# Altium PCB PCB2.PcbDoc
Units mil, origin at the board's own origin, x right, y up, seen from the top; angles counter-clockwise.
Board outline 2655.03 x 3785.03 mil, 2 copper layers (Top Layer, Bottom Layer); 12 components, 17 nets, 88 pads, 0 vias.
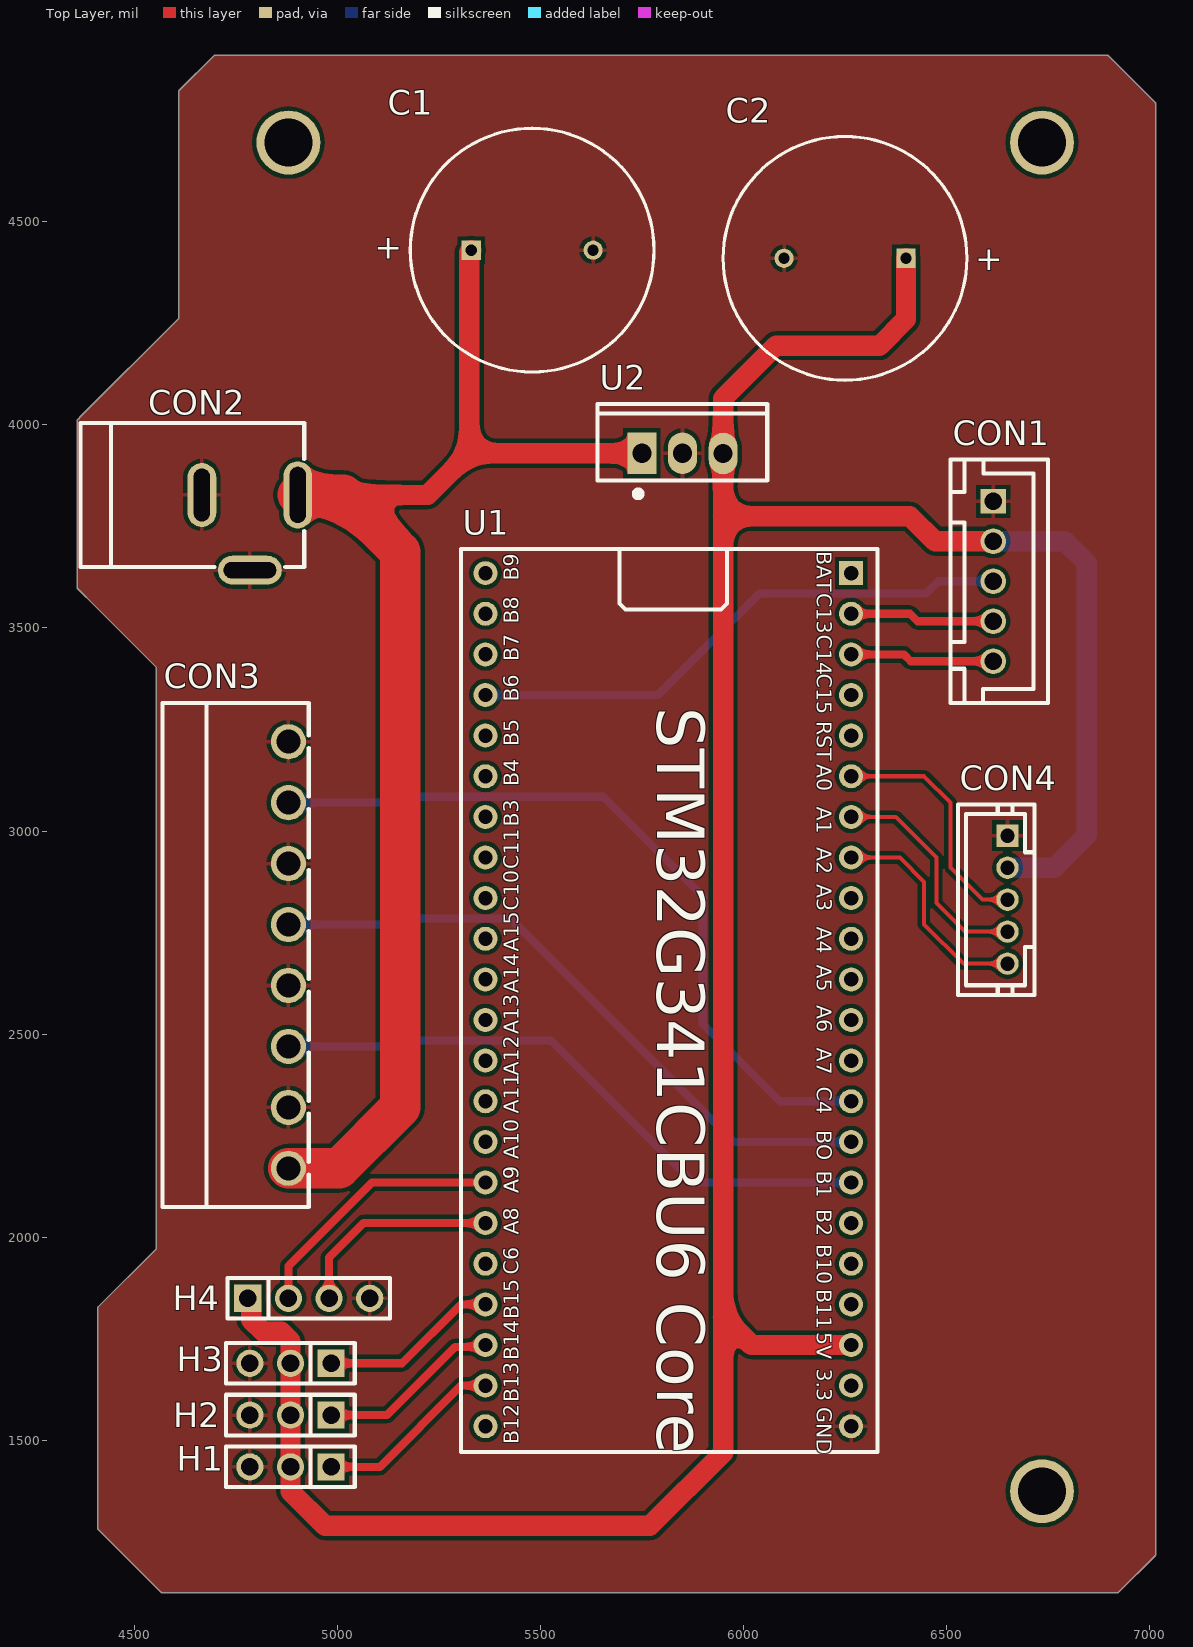
[diagram p0: Top Layer view]
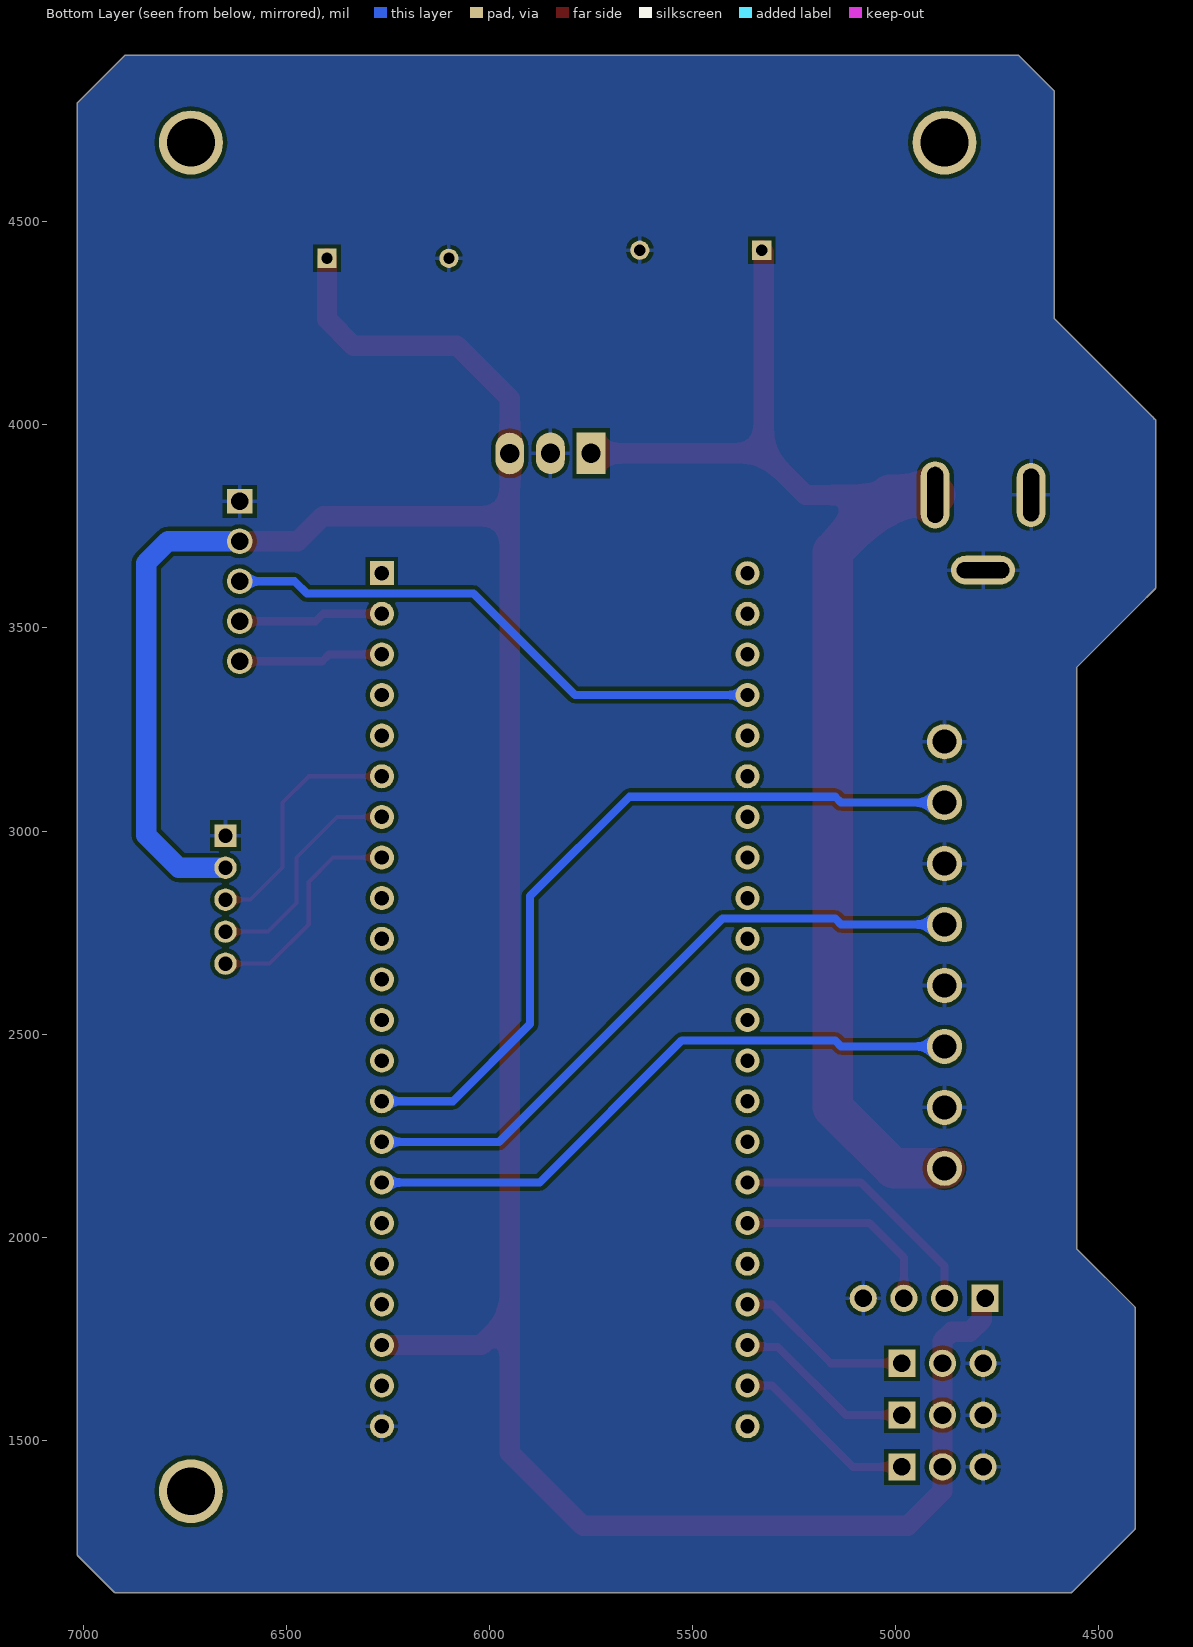
[diagram p1: Bottom Layer view, seen from below]

## Layer stack, top to bottom
Top Solder: solder mask 0.4, Solder Resist, Dk 3.5
Top Layer: signal copper 1.4
Dielectric 1: dielectric 12.6, FR-4, Dk 4.8
Bottom Layer: signal copper 1.4
Bottom Solder: solder mask 0.4, Solder Resist, Dk 3.5

## Board outline
4409.98,1285 ccw(c4415,1285) 4411.47,1281.44 4411.45,1281.45 4566.45,1126.45 4566.44,1126.47 ccw(c4570,1130) 4570,1124.98 6920,1124.98 ccw(c6920,1130) 6923.56,1126.47 6923.55,1126.45 7013.55,1216.45 7013.53,1216.44 ccw(c7010,1220) 7015.02,1220 7015.02,4790 ccw(c7010,4790) 7013.53,4793.56 7013.55,4793.55 6898.55,4908.55 6898.56,4908.53 ccw(c6895,4905) 6895,4910.02 4700,4910.02 ccw(c4700,4905) 4696.44,4908.53 4696.45,4908.55 4611.45,4823.55 4611.47,4823.56 ccw(c4615,4820) 4609.98,4820 4609.98,4262.08 4366.45,4018.55 ccw(c4370,4015) 4364.98,4015.01 ccw(c4365,4010) 4359.98,4010 4359.98,3600 ccw(c4365,3600) 4361.47,3596.44 4361.45,3596.45 4406.47,3551.44 cw(c4410,3555) 4406.45,3551.45 cw(c4410,3555) 4406.44,3551.47 4406.47,3551.44 4554.98,3402.92 4554.98,1972.08 4411.45,1828.55 4411.47,1828.56 ccw(c4415,1825) 4409.98,1825

## Design rules (kind name [scope] priority, off if disabled: settings)
Clearance [All] p1: gap=10 ignorepadtopadclearanceinfootprint=FALSE except(0: Arc-Hole Track-Hole SMDPad-Hole THPad-Hole Via-Hole Fill-Hole Poly-Hole Region-Hole Text-Hole)
HoleSize [All] p1: absolutevalues=TRUE maxlimit=150 minlimit=1 maxpercent=80.000 minpercent=20.000
PolygonConnect [All] p1: connectstyle=Relief reliefconductorwidth=10 reliefentries=4 polygonreliefangle="90 Angle" airgapwidth=10
RoutingVias [All] p1: holewidth=28 width=50 viastyle="Through Hole" minholewidth=28 minwidth=50 maxholewidth=28 maxwidth=50
SilkToSilkClearance [All] p1: silktosilkclearance=3
SilkToSolderMaskClearance [IsPad] p1: minsilkscreentomaskgap=2 clearancetoexposedcopper=TRUE
SolderMaskExpansion [All] p1: expansion=4
Width [All] p1: maxlimit=100 minlimit=10 preferedwidth=10 minimp=50.000000 maximp=50.000000 favimp=50.000000
27 further rules are at their usual default settings.

## Classes and differential pairs
component class Sheet1: C1 C2 CON1 CON2 CON3 CON4 H1 H3 H4 U1 U2

## Components (designator, comment, footprint, x,y, rotation, side; value= is the part's Value field where it differs from the comment)
C1 "Cap Pol1" RB7.6-15 5480,4430 r180 top value=100pF
C2 "Cap Pol1" RB7.6-15 6250,4410 r0 top value=100pF
CON1 "XH2.54-5P" CONN-TH_5P-P2.50_ZX-XH2.54-5PZZ 6615,3615 r270 top
CON2 "DC_Power_Connector" DC-IN-TH_DC-005-5A-2.0 4785,3735 r0 top
CON3 "8Pin_Screw" CONN-TH_8P-P3.81_WJ15EDGRC-3.81-8P 4880,2695 r270 top
CON4 "PH2.0_5Pin" CONN-TH_5P-P2.00-PH5A 6650,2831.26 r270 top
H1 "3Pin_Connector" HDR-TH_3P-P2.54-V-M 4885,1435 r180 top
H2 "3Pin_Connector" HDR-TH_3P-P2.54-V-M 4885,1562.5 r180 top
H3 "3Pin_Connector" HDR-TH_3P-P2.54-V-M 4885,1690 r180 top
H4 "2.54_4Pin" HDR-TH_4P-P2.54-V-M 4930,1850 r0 top
U1 "G431Core" PCBComponent_1 5865,2575 r0 top
U2 "lm7805" TO-220-3_L10.0-W4.5-P2.54-L 5850.01,3929.8 r0 top

## Footprints (in the part's own frame and the unit in brackets; to place one, negate y for a bottom-side part, rotate by r counter-clockwise, add the part's x,y. Pads: shape width x height; smd on the part's side, far side on the other; paste and mask are expansions set on the pad)
CONN-TH_5P-P2.00-PH5A [mm]
  rect 1.4x1.4 hole 0.9: 1(-4,0)
  round 1.4 hole 0.9: 2(-2,0) 3(0,0) 4(2,0) 5(4,0)
  silkscreen extent -5.96,-3.1 5.96,1.7
CONN-TH_5P-P2.50_ZX-XH2.54-5PZZ [mm]
  rect 1.524x1.6 hole 1.1: 1(-5,0)
  round 1.6 hole 1.1: 2(-2.5,0) 3(0,0) 4(2.5,0) 5(5,0)
  silkscreen extent -7.62,-2.68 7.62,3.42
CONN-TH_8P-P3.81_WJ15EDGRC-3.81-8P [mm]
  round 2.2 hole 1.5: 1(-13.335,0) 2(-9.525,0) 3(-5.715,0) 4(-1.905,0) 5(1.905,0) 6(5.715,0) 7(9.525,0) 8(13.335,0)
  silkscreen extent -15.75,-7.87 15.75,1.27
DC-IN-TH_DC-005-5A-2.0 [mm]
  oval 1.8x4.2 hole 1 slot 3.5 at 90 deg: 1(3,2.352)
  oval 1.8x4 hole 1 slot 3.3 at 90 deg: 2(-3,2.352)
  oval 4x1.8 hole 1 slot 3.3 at 0 deg: 3(0,-2.352)
  silkscreen extent -10.6,-2.15 3.4,6.85
HDR-TH_3P-P2.54-V-M [mm]
  rect 1.7x1.7 hole 1.1: 1(-2.54,0)
  round 1.7 hole 1.1: 2(0,0) 3(2.54,0)
  silkscreen extent -4.02,-1.27 4.02,1.27
HDR-TH_4P-P2.54-V-M [mm]
  rect 1.7x1.7 hole 1.1: 1(-3.81,0)
  round 1.7 hole 1.1: 2(-1.27,0) 3(1.27,0) 4(3.81,0)
  silkscreen extent -5.08,-1.27 5.08,1.27
PCBComponent_1 [mm]
  rect 1.5x1.5 hole 0.9: 1(10.16,26.924)
  round 1.5 hole 0.9: 2(10.16,24.384) 3(10.16,21.844) 4(10.16,19.304) 5(10.16,16.764) 6(10.16,14.224) 7(10.16,11.684) 8(10.16,9.144) 9(10.16,6.604) 10(10.16,4.064) 11(10.16,1.524) 12(10.16,-1.016) 13(10.16,-3.556) 14(10.16,-6.096) 15(10.16,-8.636) 16(10.16,-11.176) 17(10.16,-13.716) 18(10.16,-16.256) 19(10.16,-18.796) 20(10.16,-21.336) 21(10.16,-23.876) 22(10.16,-26.416) 23(-12.7,-26.416) 24(-12.7,-23.876) 25(-12.7,-21.336) 26(-12.7,-18.796) 27(-12.7,-16.256) 28(-12.7,-13.716) 29(-12.7,-11.176) 30(-12.7,-8.636) 31(-12.7,-6.096) 32(-12.7,-3.556) 33(-12.7,-1.016) 34(-12.7,1.524) 35(-12.7,4.064) 36(-12.7,6.604) 37(-12.7,9.144) 38(-12.7,11.684) 39(-12.7,14.224) 40(-12.7,16.764) 41(-12.7,19.304) 42(-12.7,21.844) 43(-12.7,24.384) 44(-12.7,26.924)
  silkscreen extent -14.22,-28.03 11.81,28.42
RB7.6-15 [mm] "Polarized Capacitor (Radial); 2 Leads"
  rect 1.2x1.2 hole 0.7: 1(3.81,0)
  round 1.2 hole 0.7: 2(-3.81,0)
  silkscreen extent -7.62,-7.62 7.62,7.62
TO-220-3_L10.0-W4.5-P2.54-L [mm]
  rect 1.8x2.6 hole 1.2: 1(-2.54,0.005)
  oval 1.8x2.6 hole 1.2: 2(0,0.005)
  oval 1.8x2.6 hole 1.2 copper offset 0,0: 3(2.54,-0.005)
  silkscreen extent -5.3,-2.73 5.3,3.09

## Part data
C1 C2: "Polarized Capacitor (Radial)", LatestRevisionDate=17-Jul-2002, LatestRevisionNote="Re-released for DXP Platform.", PackageDescription="Polarized Capacitor (Radial); 2 Leads", PackageReference=RB7.6-15, Published=8-Jun-2000, Publisher="Altium Limited"
CON1: Current Rating (Max)=3A, JLCPCB Part Class=À©Õ, LCSC Part Name=ZX-XH2.54-5PZZ, Manufacturer=Megastar(Õ×Ð, Operating Temperature Range=-25℃~+85?, Add into BOM=yes, Contact Material=黄?, Contact Plating=锡, Convert to PCB=yes, Datasheet=https://atta.szlcsc.com/upload/public/pdf/source/20230619/60EEF4ADD558E90BFFACF5D939816781.pdf, Device=ZX-XH2.54-5PZZ, Manufacturer Part=ZX-XH2.54-5PZZ, Mounting Style=ֱ?, Number of Pins=5P, Number of PINs Per Row=5, Number of Rows=1, Pins Structure=1x5P, Pitch=2.54mm, Reference Series=XH, Row Spacing=-, Supplier=LCSC, Supplier Footprint=插件,P=2.54, Supplier Part=C7429635, Symbol=ZX-XH2.54-5PZZ
CON2: Current Rating (Max)=5A, JLCPCB Part Class=À©Õ, LCSC Part Name="DC电源插座 内径:2", Manufacturer="XKB Connection(中国", Manufacturer Part=DC-005-5A-2.0, Operating Temperature Range=-20℃~+70?, Voltage Rating (Max)=24V, Add into BOM=yes, Connector Type=DC电源, Convert to PCB=yes, Datasheet=https://atta.szlcsc.com/upload/public/pdf/source/20211015/707A35F7AB6E89C57AAB641950105BB7.pdf, Device=DC-005-5A-2.0, Inside Contact Diameter=2mm, Mounting Style=弯?, Outside Contact Diameter=6.2mm, Supplier=LCSC, Supplier Footprint=插?, Supplier Part=C381116, Symbol=DC-005-5A-2.0
CON3: Color=-, Current Rating (Max)=8A, JLCPCB Part Class=À©Õ, LCSC Part Name="1x8P 3.81mm 排数:1 每", Manufacturer=KANGNEX(¿µÄÎ¿, Manufacturer Part=WJ15EDGRC-3.81-8P, Operating Temperature Range=-40℃~+105?, Voltage Rating (Max)=300V, Add into BOM=yes, Connection Type=-, Connector Type=°å¶Ë/², Contact Material=黄?, Contact Plating=锡, Convert to PCB=yes, Datasheet=https://atta.szlcsc.com/upload/public/pdf/source/20191225/C14235_C8BDA83BBDBD01ECF9C88040C6983038.pdf, Device=WJ15EDGRC-3.81-8P, fixed form=-, Mounting Style=弯?, Number of Pins=8P, Number of PINs Per Row=8, Number of Rows=1, Outlet Direction (Vertical Basis)=-, Pitch=3.81mm, Soldering Temperature(Max)=-, Structure=1x8P, Supplier=LCSC, Supplier Footprint=弯插,P=3.81, Supplier Part=C14235, Symbol=WJ15EDGRC-3.81-8P, Wire Gauge - AWG=-, Wire Gauge - mm2=-
CON4: Current Rating (Max)=2A, JLCPCB Part Class=À©Õ, LCSC Part Name="PH 2.0mm 1x5P ֱ?", Manufacturer=XUNPU(Ñ¶Æ, Manufacturer Part=WAFER-PH2.0-5PZZ, Operating Temperature Range=-25℃~+85?, Add into BOM=yes, Convert to PCB=yes, Device=WAFER-PH2.0-5PZZ, Mounting Style=ֱ?, Number of Pins=5P, Number of PINs Per Row=5, Number of Rows=1, Pins Structure=1x5P, Pitch=2mm, Reference Series=PH, Supplier=LCSC, Supplier Footprint=插件,P=2, Supplier Part=C5359602, Symbol=WAFER-PH2.0-5PZZ
H1 H2 H3: Color=黑?, Current Rating (Max)=3A, JLCPCB Part Class=À©Õ, LCSC Part Name="¼ä¾à:2.54mm 1x3P Ö", Manufacturer=XFCN(ÐË·, Manufacturer Part=PZ254V-11-03P, Operating Temperature Range=-40℃~+105?, Voltage Rating (Max)=250V, Add into BOM=yes, Circluar Pins/Square Pins=方?, Convert to PCB=yes, Datasheet=https://atta.szlcsc.com/upload/public/pdf/source/20200309/C492402_8335C3D49C4E4C618838D59BB1D024C1.pdf, Device=PZ254V-11-03P, Insulation Height=2.5mm, Length of End Connection Pin=3mm, Length of Mating Pin=6mm, Mounting Type=ֱ?, Number of Pins=3P, Number of Rows=单?, Pin Structure=1x3P, Pitch=2.54mm, Row Spacing=-, Supplier=LCSC, Supplier Footprint=插件,P=2.54, Supplier Part=C2937625, Symbol=PZ254V-11-03P_C2937625
H4: Color=黑?, Current Rating (Max)=3A, JLCPCB Part Class=À©Õ, LCSC Part Name="¼ä¾à:2.54mm 1x4P Ö", Manufacturer=XFCN(ÐË·, Manufacturer Part=PZ254V-11-04P, Operating Temperature Range=-40℃~+105?, Voltage Rating (Max)=250V, Add into BOM=yes, Circluar Pins/Square Pins=方?, Contact Material=-, Convert to PCB=yes, Datasheet=https://atta.szlcsc.com/upload/public/pdf/source/20200309/C492403_F9F19131791D08044AD4F84F8E751A34.pdf, Device=PZ254V-11-04P, Insulation Height=2.5mm, Length of End Connection Pin=3mm, Length of Mating Pin=6mm, Mounting Type=ֱ?, Number of Pins=4P, Number of Rows=单?, Pin Structure=1x4P, Pitch=2.54mm, Row Spacing=-, Supplier=LCSC, Supplier Footprint=插件,P=2.54, Supplier Part=C2691448, Symbol=PZ254V-11-04P_C2691448

## Free pads (board coordinates)
  round 157.48 hole 118.11: 1(4880,4695) 1(6735,1375) 1(6735,4695)

## Nets (pads, with @x,y where several pads share a name; then routed paths per layer and width w, separated by ;. In a path a pad name is that pad's centre, name@x,y a point inside that pad or via, vN(x,y) a via of type N, cw(c..) or ccw(c..) an arc to the next point about the centre after c; other vN are vias at no path point)
+5: C2.1 CON1.2 CON4.2 H1.2 H2.2 H3.2 H4.1 U1.20 U2.3 | length 7180.1
  Top Layer w50: H4.1 4788.46,1841.54 4788.46,1796.54 4817.75,1767.25 4862.75,1767.25 4885,1745 H3.2 H2.2 H1.2 4885,1375 4970,1290 5770,1290 5950.01,1470.01 5950.01,1804.99 ; U1.20 6020,1735 5950.01,1804.99 ; C2.1 6400,4260 6335,4195 6080,4195 5950.01,4065.01 U2.3 5950.01,3775 ; CON1.2 6471.58,3713.43 6410,3775 5950.01,3775 ; 5950.01,1804.99 5950.01,3775
  Bottom Layer w50: CON1.2 6791.58,3713.43 6845,3660 6845,2990 6765,2910 CON4.2
+12: C1.1 CON2.1 CON3.8 U2.1 | length 3325.8
  Top Layer w10: CON2.1 CON2.1@4925.53,3850
  Top Layer w50: 5015,3827.59 5222.59,3827.59 5325,3930 ; C1.1 5325,4425 5325,3930 ; U2.1 5325,3930
  Top Layer w100: CON3.8 5005,2170 5155,2320 5155,3687.59 5015,3827.59 CON2.1
GND: C1.2 C2.2 CON1.1 CON2.2 CON2.3 CON3.1 CON3.3 CON3.5 CON3.7 CON4.1 H1.3 H2.3 H3.3 H4.4 U1.22 U2.2
NetCON1_3: CON1.3 U1.41 | length 1366
  Bottom Layer w20: U1.41 5790,3335 6039.53,3584.53 6449.53,3584.53 6480.01,3615.01 CON1.3
NetCON1_4: CON1.4 U1.2 | length 357.6
  Top Layer w20: U1.2 6410,3535 6428.43,3516.58 CON1.4
NetCON1_5: CON1.5 U1.3 | length 357
  Top Layer w20: U1.3 6395,3435 6411.86,3418.15 CON1.5
NetCON3_2: CON3.2 U1.14 | length 1886
  Bottom Layer w20: CON3.2 5134.51,3070 5149.03,3084.53 5655.47,3084.53 5900,2840 5900,2525 6090,2335 U1.14
NetCON3_4: CON3.4 U1.15 | length 1618.6
  Bottom Layer w20: CON3.4 5134.51,2770 5149.03,2784.53 5426.97,2784.53 5976.5,2235 U1.15
NetCON3_6: CON3.6 U1.16 | length 1535.8
  Bottom Layer w20: CON3.6 5134.51,2470 5149.03,2484.53 5526.97,2484.53 5876.5,2135 U1.16
NetCON4_3: CON4.3 U1.6 | length 604.5
  Top Layer w10: U1.6 6445,3135 6510,3070 6510,2910 6588.74,2831.26 CON4.3
NetCON4_4: CON4.4 U1.7 | length 567.9
  Top Layer w10: U1.7 6375,3035 6475,2935 6475,2822.52 6545,2752.52 CON4.4
NetCON4_5: CON4.5 U1.8 | length 554.7
  Top Layer w10: U1.8 6385,2935 6445,2875 6445,2770 6541.22,2673.78 CON4.5
NetH1_1: H1.1 U1.24 | length 462.8
  Top Layer w20: H1.1 5105,1435 5305,1635 U1.24
NetH2_1: H2.1 U1.25 | length 451.5
  Top Layer w20: H2.1 5122.5,1562.5 5290.47,1730.47 5360.47,1730.47 U1.25
NetH3_1: H3.1 U1.26 | length 440.1
  Top Layer w20: H3.1 5160,1690 5305,1835 U1.26
NetH4_2: H4.2 U1.29 | length 649.6
  Top Layer w20: H4.2 4880,1929.53 5085.47,2135 U1.29
NetH4_3: H4.3 U1.28 | length 520.2
  Top Layer w20: H4.3 4980,1950 5065,2035 U1.28
pads on no net: U1.1 U1.4 U1.5 U1.9 U1.10 U1.11 U1.12 U1.13 U1.17 U1.18 U1.19 U1.21 U1.23 U1.27 U1.30 U1.31 U1.32 U1.33 U1.34 U1.35 U1.36 U1.37 U1.38 U1.39 U1.40 U1.42 U1.43 U1.44

## Polygon pours and split planes (outlines as drawn)
GND on Top Layer "GND_L01_P020" (solid, pour order 20): 4409.98,1285 ccw(c4415,1285) 4411.47,1281.44 4411.45,1281.45 4566.45,1126.45 4566.44,1126.47 ccw(c4570,1130) 4570,1124.98 6920,1124.98 ccw(c6920,1130) 6923.56,1126.47 6923.55,1126.45 7013.55,1216.45 7013.53,1216.44 ccw(c7010,1220) 7015.02,1220 7015.02,4790 ccw(c7010,4790) 7013.53,4793.56 7013.55,4793.55 6898.55,4908.55 6898.56,4908.53 ccw(c6895,4905) 6895,4910.02 4700,4910.02 ccw(c4700,4905) 4696.44,4908.53 4696.45,4908.55 4611.45,4823.55 4611.47,4823.56 ccw(c4615,4820) 4609.98,4820 4609.98,4262.08 4366.45,4018.55 ccw(c4370,4015) 4364.98,4015.01 ccw(c4365,4010) 4359.98,4010 4359.98,3600 ccw(c4365,3600) 4361.47,3596.44 4361.45,3596.45 4406.47,3551.44 cw(c4410,3555) 4406.45,3551.45 cw(c4410,3555) 4406.44,3551.47 4406.47,3551.44 4554.98,3402.92 4554.98,1972.08 4411.45,1828.55 4411.47,1828.56 ccw(c4415,1825) 4409.98,1825
GND on Bottom Layer "GND_L02_P022" (solid, pour order 22): 4409.98,1285 ccw(c4415,1285) 4411.47,1281.44 4411.45,1281.45 4566.45,1126.45 4566.44,1126.47 ccw(c4570,1130) 4570,1124.98 6920,1124.98 ccw(c6920,1130) 6923.56,1126.47 6923.55,1126.45 7013.55,1216.45 7013.53,1216.44 ccw(c7010,1220) 7015.02,1220 7015.02,4790 ccw(c7010,4790) 7013.53,4793.56 7013.55,4793.55 6898.55,4908.55 6898.56,4908.53 ccw(c6895,4905) 6895,4910.02 4700,4910.02 ccw(c4700,4905) 4696.44,4908.53 4696.45,4908.55 4611.45,4823.55 4611.47,4823.56 ccw(c4615,4820) 4609.98,4820 4609.98,4262.08 4366.45,4018.55 ccw(c4370,4015) 4364.98,4015.01 ccw(c4365,4010) 4359.98,4010 4359.98,3600 ccw(c4365,3600) 4361.47,3596.44 4361.45,3596.45 4406.47,3551.44 cw(c4410,3555) 4406.45,3551.45 cw(c4410,3555) 4406.44,3551.47 4406.47,3551.44 4554.98,3402.92 4554.98,1972.08 4411.45,1828.55 4411.47,1828.56 ccw(c4415,1825) 4409.98,1825

## Silkscreen, mask and mechanical layers (free items; w line width, h text height)
Bottom Solder:
  lines w10: 4365,4010 4365,3600 4410,3555 4560,3405 4560,1970 4415,1825 4415,1285 4570,1130 6920,1130 7010,1220 7010,4790 6895,4905 4700,4905 4615,4820 4615,4260 4370,4015

## Text inside footprints (layer, text, board x,y; h text height)
C1: Top Overlay "+" at 5159.85,4459.01 h59.06 r180
C2: Top Overlay "+" at 6570.15,4380.99 h59.06
U1: Top Overlay "B6" at 5447,3318 h37 r90; Top Overlay "B5" at 5447,3209 h37 r90; Top Overlay "B4" at 5447,3110 h37 r90; Top Overlay "B3" at 5447,3011 h37 r90; Top Overlay "C11" at 5447,2906 h37 r90; Top Overlay "C10" at 5447,2804 h37 r90; Top Overlay "A15" at 5447,2703 h37 r90; Top Overlay "A14" at 5447,2601 h37 r90; Top Overlay "A13" at 5447,2500 h37 r90; Top Overlay "A12" at 5447,2398 h37 r90; Top Overlay "A11" at 5447,2304 h37 r90; Top Overlay "A10" at 5447,2192 h37 r90; Top Overlay "A9" at 5447,2109 h37 r90; Top Overlay "A9" at 5447,2109 h37 r90; Top Overlay "A8" at 5447,2007 h37 r90; Top Overlay "B7" at 5447,3418 h37 r90; Top Overlay "B8" at 5447,3510 h37 r90; Top Overlay "B9" at 5447,3616 h37 r90; Top Overlay "C6" at 5447,1908 h37 r90; Top Overlay "C4" at 6180,2371 h37 r270; Top Overlay "B11" at 6180,1872 h37 r270; Top Overlay "C15" at 6180,3387 h37 r270; Top Overlay "GND" at 6180,1582 h37 r270; Top Overlay "3.3" at 6180,1676 h37 r270; Top Overlay "5V" at 6180,1767 h37 r270; Top Overlay "B10" at 6180,1983 h37 r270; Top Overlay "B2" at 6180,2069 h37 r270; Top Overlay "B1" at 6180,2164 h37 r270; Top Overlay "BO" at 6180,2264 h37 r270; Top Overlay "A7" at 6180,2467 h37 r270; Top Overlay "A6" at 6180,2571 h37 r270; Top Overlay "A5" at 6180,2671 h37 r270; Top Overlay "A4" at 6180,2765 h37 r270; Top Overlay "A3" at 6180,2869 h37 r270; Top Overlay "A2" at 6180,2960 h37 r270; Top Overlay "A1" at 6180,3060 h37 r270; Top Overlay "A0" at 6180,3164 h37 r270; Top Overlay "RST" at 6180,3271 h37 r270; Top Overlay "C14" at 6180,3483 h37 r270; Top Overlay "C13" at 6180,3585 h37 r270; Top Overlay "BAT" at 6180,3689 h37 r270; Top Overlay "B12" at 5447,1491 h37 r90; Top Overlay "B13" at 5447,1594 h37 r90; Top Overlay "B14" at 5447,1698 h37 r90; Top Overlay "B15" at 5447,1799 h37 r90; Top Overlay "STM32G341CBU6 Core" at 5750,3305 h200 r270